# Altium PCB uTCA_MCH_PCB3.pcbdoc (part 18 of 25) (continued)
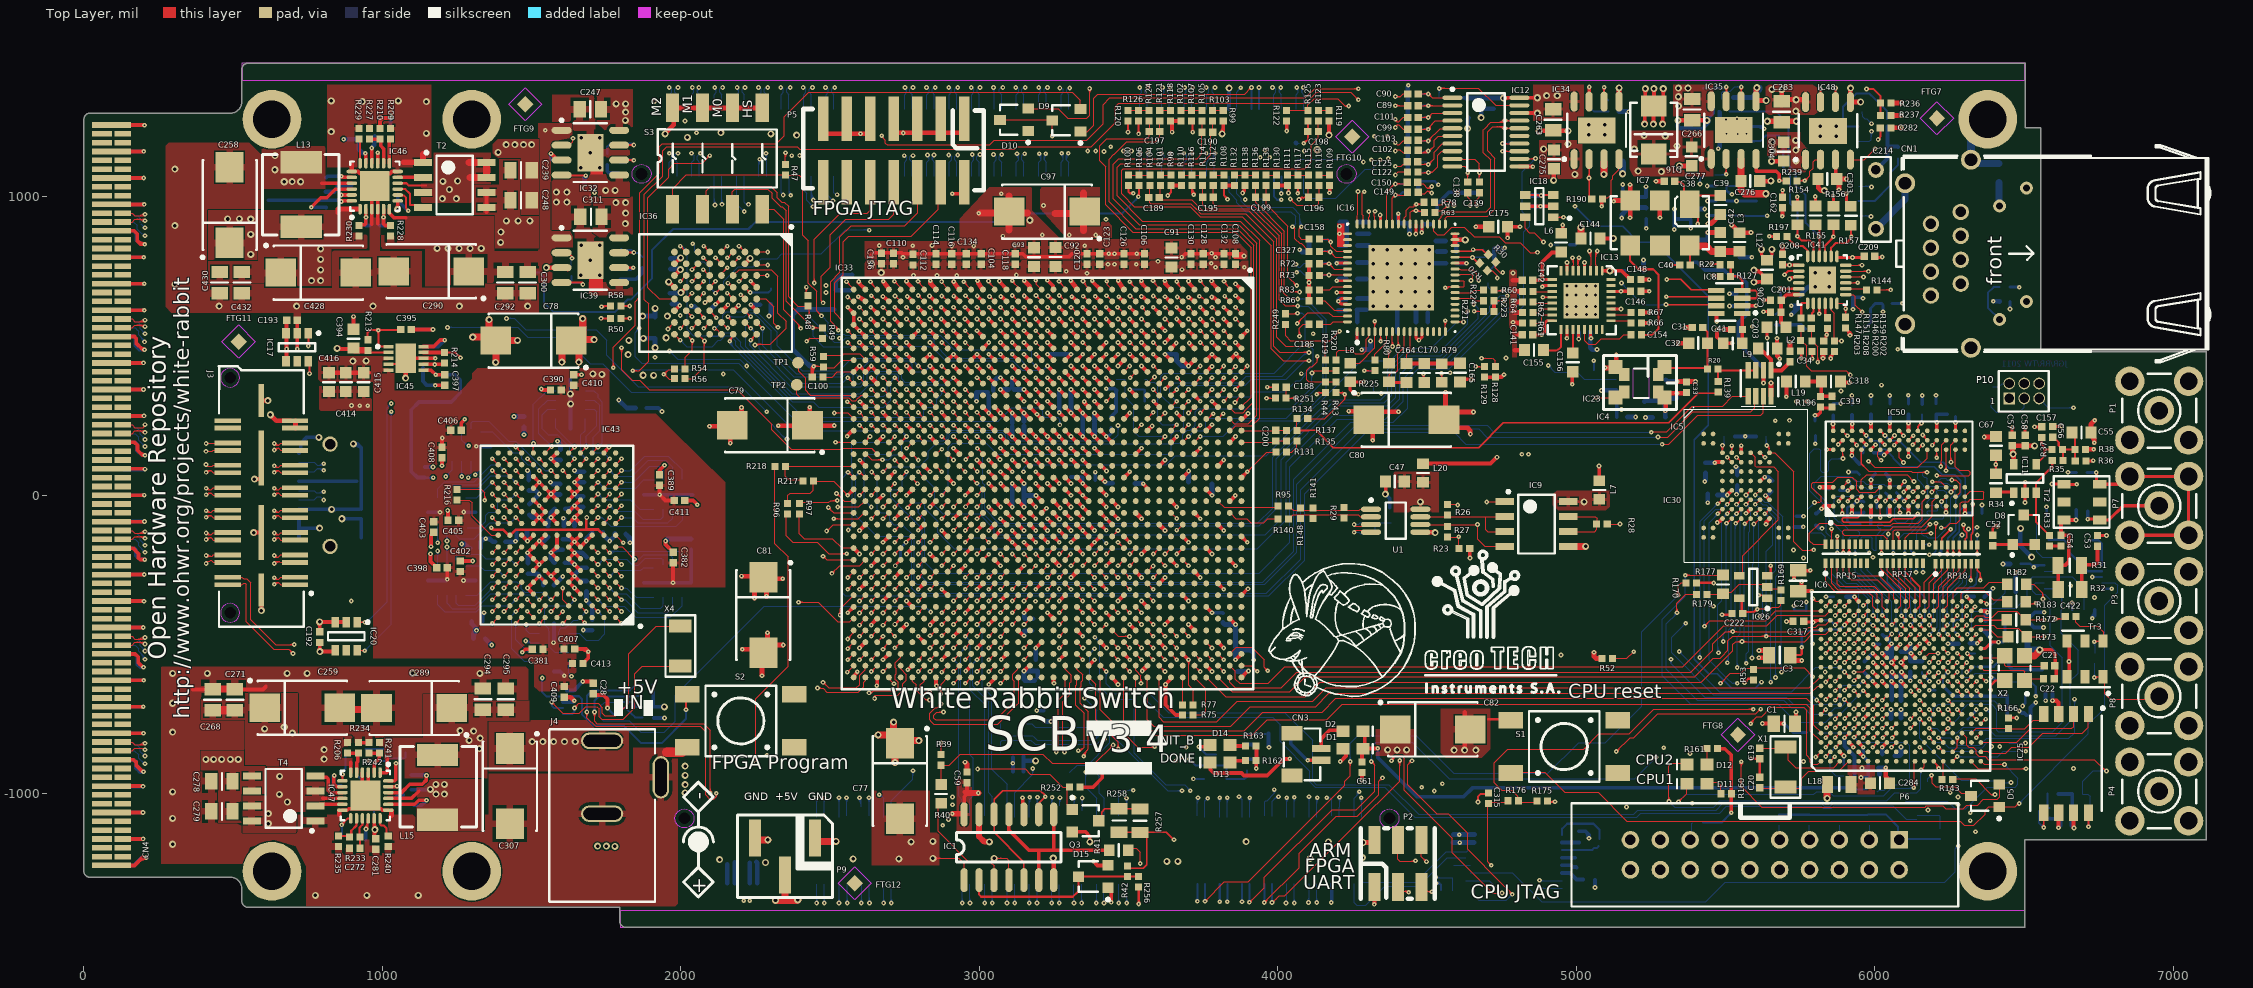
[diagram p0: Top Layer view]
## Nets (pads, with @x,y where several pads share a name; then routed paths per layer and width w, separated by ;. In a path a pad name is that pad's centre, name@x,y a point inside that pad or via, vN(x,y) a via of type N, cw(c..) or ccw(c..) an arc to the next point about the centre after c; other vN are vias at no path point) (continued)
  Bottom Layer w3.94: RP14.3@1216.53,-7.87 1216.53,23.62 1228.35,35.43 1318.9,35.43 v1@1366.14,82.68 ; 1354.67,71.2 cw(c1368.11,57.76) v1@1368.11,76.77 ; 1359.42,75.96 ccw(c1352.7,82.68) v1@1362.2,82.68 ; 1361.39,77.93 cw(c1368.11,71.21) v1@1368.11,80.71
Q2_D2: IC33.AL11 IC43.M11 RP14.5 | length 2127.3
  Top Layer w3.94: v1@1368.11,37.4 cw(c1368.11,23.14) 1378.19,33.23 cw(c1388.27,43.31) v1@1374.02,43.31 ; v1(1368.11,43.31) IC43.M11@1387.8,23.62 ; v1@2677.17,309.06 cw(c2677.17,294.8) 2687.25,304.88 cw(c2697.33,314.96) v1@2683.07,314.96 ; v1(2677.17,314.96) IC33.AL11@2696.85,295.28
  MidLayer1 w3.94: v1@1368.11,37.4 cw(c1368.11,23.14) 1378.19,33.23 cw(c1388.27,43.31) v1@1374.02,43.31 ; v1(1368.11,43.31) 1390.57,20.85 1414.48,20.85 1424.39,10.94 1424.39,-1.16 1438.98,-15.75 1560.8,-15.75 1565.87,-20.82 1565.87,-34.3 1570.94,-39.37 1581.09,-39.37 1586.16,-34.3 1586.16,2.8 1591.23,7.87 1601.38,7.87 1606.45,2.8 1606.45,-34.3 1611.53,-39.37 1621.67,-39.37 1626.74,-34.3 1626.74,-20.82 1631.82,-15.75 1832.68,-15.75 1850.61,2.19 1850.61,9.36 1846.58,13.39 1846.58,20.56 1853.76,27.74 1860.93,27.74 1864.96,23.71 1872.13,23.71 1879.31,30.88 1879.31,38.06 1875.28,42.09 1875.28,49.26 1882.45,56.43 1889.63,56.43 1893.66,52.41 1900.83,52.41 1908,59.58 1908,66.75 1903.98,70.78 1903.98,77.2 1911.42,84.65 1916.34,84.65 1926.18,74.8 1930.12,74.8 1939.96,84.65 1939.96,87.22 1931.1,96.08 1931.1,104.71 1941.55,115.16 1948.21,115.16 1952.15,111.22 1955.71,111.22 1963.58,119.09 1963.58,125 1959.65,128.94 1959.65,133.86 1968.31,142.52 1975.72,142.52 1979.75,138.49 1986.92,138.49 1994.09,145.67 1994.09,152.84 1990.06,156.87 1990.06,164.05 1997.24,171.22 2004.41,171.22 2008.44,167.19 2015.62,167.19 2022.79,174.36 2022.79,181.54 2018.76,185.57 2018.76,192.74 2025.93,199.92 2033.11,199.92 2037.14,195.89 2044.31,195.89 2051.49,203.06 2051.49,210.23 2047.46,214.26 2047.46,221.44 2054.63,228.61 2061.8,228.61 2065.83,224.58 2073.01,224.58 2080.18,231.76 2080.18,238.93 2076.15,242.96 2076.15,250.13 2083.33,257.31 2090.5,257.31 2094.53,253.28 2101.7,253.28 2108.88,260.45 2108.88,267.63 2104.85,271.66 2104.85,278.83 2112.02,286 2119.2,286 2123.23,281.98 2130.4,281.98 2137.57,289.15 2137.57,296.32 2133.55,300.35 2133.55,307.53 2140.72,314.7 2147.89,314.7 2152.55,310.04 2158.46,310.04 2194.88,346.46 2543.02,346.46 2554.83,334.65 2657.48,334.65 v1(2677.17,314.96) ; v1@2671.26,314.96 ccw(c2657,314.96) 2667.08,325.04 ccw(c2677.17,335.12) v1@2677.17,320.87
  Bottom Layer w3.94: RP14.5@1279.53,-7.87 1316.93,-7.87 v1(1368.11,43.31) ; 1358.03,33.22 ccw(c1347.95,43.31) v1@1362.2,43.31 ; 1358.03,33.23 cw(c1368.11,23.15) v1@1368.11,37.4
Q2_D3: IC33.AP11 IC43.K10 RP14.9 | length 2399.3
  Top Layer w3.94: v1@1407.48,-41.34 cw(c1407.48,-55.6) 1417.56,-45.51 cw(c1427.64,-35.43) v1@1413.39,-35.43 ; v1(1407.48,-35.43) IC43.K10@1427.17,-55.12 ; v1@2557.08,307.09 cw(c2557.08,283.31) IC33.AP11@2573.89,300.12 ; v1@2557.08,311.02 cw(c2557.08,296.75) 2567.17,306.84 ; v1@2559.06,314.96 IC33.AP11@2578.74,295.28 ; v1@2562.99,312.99 ccw(c2567.73,312.99) 2564.37,309.64
  MidLayer1 w3.94: v1@1407.48,-41.34 cw(c1407.48,-55.6) 1417.56,-45.51 cw(c1427.64,-35.43) v1@1413.39,-35.43 ; v1(1407.48,-35.43) 1427.16,-55.12 1536.04,-55.12 1539.97,-59.06 1552.39,-59.06 1560.26,-51.18 1572.68,-51.18 1580.56,-59.06 1592.97,-59.06 1600.85,-51.18 1613.26,-51.18 1621.14,-59.06 1633.56,-59.06 1637.49,-55.12 1828.74,-55.12 1844.42,-39.44 1844.42,-33.7 1841.81,-31.09 1841.81,-25.35 1850.42,-16.74 1856.16,-16.74 1867.12,-27.7 1872.86,-27.7 1881.47,-19.09 1881.47,-13.35 1870.5,-2.39 1870.5,3.35 1879.11,11.96 1884.85,11.96 1890.33,6.48 1895.82,0.99 1901.56,0.99 1910.16,9.6 1910.16,15.34 1904.68,20.82 1899.2,26.31 1899.2,32.05 1907.81,40.65 1913.55,40.65 1924.51,29.69 1930.25,29.69 1938.86,38.3 1938.86,44.04 1927.9,55 1927.9,60.74 1936.51,69.35 1942.24,69.35 1953.21,58.39 1958.95,58.39 1967.56,67 1967.56,72.73 1956.59,83.7 ; 1956.69,83.66 1953.74,86.61 1953.74,91.16 1963.96,101.38 1967.61,101.38 1976.42,92.56 1981.91,87.08 1987.64,87.08 1996.25,95.69 1996.25,101.43 1990.77,106.91 1985.29,112.39 1985.29,118.06 ; 1985.29,118.13 1993.9,126.74 1999.64,126.74 2010.6,115.78 2016.34,115.78 2024.95,124.39 2024.95,130.13 2013.99,141.09 2013.99,146.83 2022.59,155.44 2028.33,155.44 2039.3,144.48 2045.04,144.48 2053.65,153.08 2053.65,158.82 2042.68,169.79 2042.68,175.53 2051.29,184.14 2057.03,184.14 2067.99,173.17 2073.73,173.17 2082.34,181.78 2082.34,187.52 2076.86,193 2071.38,198.48 2071.38,204.22 2079.99,212.83 2085.73,212.83 2096.69,201.87 2102.43,201.87 2117.76,217.19 2117.76,222.8 2110.91,229.65 2110.91,240.71 2114.02,243.82 2117.76,243.82 2127.48,234.09 2134.66,234.09 2139.73,239.17 2139.73,244.91 2128.77,255.88 2128.77,261.62 2137.38,270.22 2143.12,270.22 2154.08,259.26 2159.82,259.26 2168.43,267.87 2168.43,273.61 2162.95,279.09 2157.47,284.57 2157.47,290.31 2166.08,298.92 2171.81,298.92 2177.3,293.44 2182.78,287.96 2188.52,287.96 2190.24,289.67 2190.24,306.57 2194.33,310.66 2194.51,310.66 2198.82,314.96 2216.54,332.68 2243.78,332.68 2247.72,328.74 2260.14,328.74 2268.01,336.61 2280.43,336.61 2288.3,328.74 2300.72,328.74 2308.59,336.61 2321.01,336.61 2328.89,328.74 2341.3,328.74 2349.18,336.61 2361.59,336.61 2369.47,328.74 2381.89,328.74 2389.76,336.61 2402.18,336.61 2410.05,328.74 2422.47,328.74 2430.34,336.61 2442.76,336.61 2450.63,328.74 2463.05,328.74 2470.93,336.61 2483.34,336.61 2491.22,328.74 2503.63,328.74 2507.57,332.68 2527.56,332.68 2547.24,312.99 ; 2530.21,330.03 ccw(c2557.08,356.9) v1@2557.08,318.9 ; 2536.93,323.31 ccw(c2557.08,343.46) v1@2557.08,314.96 ; 2543.65,316.59 ccw(c2557.08,330.02) v1@2557.08,311.02 ; v1@2551.87,310.22 ccw(c2547.24,307.75) 2547.24,312.99 ; v1@2551.87,315.77 cw(c2547.24,318.23) 2547.24,312.99 ; v1@2556.69,312.99 2547.24,312.99
  MidLayer3 w3.94: v1(1216.54,-153.54) 1314.96,-55.12 1387.79,-55.12 v1(1407.48,-35.43) ; v1@1216.54,-147.64 ccw(c1216.54,-133.38) 1226.62,-143.46 ccw(c1236.7,-153.54) v1@1222.44,-153.54 ; v1@1401.57,-35.43 cw(c1387.32,-35.43) 1397.4,-45.51 cw(c1407.48,-55.6) v1@1407.48,-41.34
  Bottom Layer w3.94: v1@1212.36,-149.37 ccw(c1202.28,-139.29) 1216.53,-139.29 ccw(c1230.8,-139.28) v1@1220.71,-149.37 ; v1(1216.54,-153.54) RP14.9@1216.53,-106.3
  other v1: 2557.08,312.99
Q2_D4: IC33.AP12 IC43.J11 RP14.10 | length 2324.8
  Top Layer w3.94: v1@1368.11,-80.71 cw(c1368.11,-94.97) 1378.19,-84.88 cw(c1388.27,-74.8) v1@1374.02,-74.8 ; v1(1368.11,-74.8) IC43.J11@1387.8,-94.49 ; v1(2513.78,275.59) 2559.06,275.59 IC33.AP12@2578.74,255.91 ; v1@2517.96,271.41 cw(c2528.04,261.33) 2528.04,275.59 cw(c2528.04,289.85) v1@2517.96,279.77
  MidLayer1 w3.94: v1(1185.04,-159.45) 1269.69,-74.8 v1(1368.11,-74.8) 1368.11,-90.55 1383.86,-106.3 1921.26,-106.3 1935.39,-92.17 1941.13,-92.17 1943.74,-94.78 1949.48,-94.78 1958.09,-86.18 1958.09,-80.44 1947.12,-69.47 1947.12,-63.73 1955.73,-55.12 1961.47,-55.12 1972.44,-66.09 1978.17,-66.09 1986.78,-57.48 1986.78,-51.74 1975.82,-40.78 1975.82,-35.04 1984.43,-26.43 1990.17,-26.43 1995.65,-31.91 2001.13,-37.39 2006.87,-37.39 2015.48,-28.78 2015.48,-23.04 2010,-17.56 2004.52,-12.08 2004.52,-6.34 2013.12,2.27 2018.86,2.27 2029.83,-8.7 2035.57,-8.7 2044.18,-0.09 2044.18,5.65 2033.21,16.62 2033.21,22.36 2041.82,30.96 2047.56,30.96 2058.52,20 2064.26,20 2072.87,28.61 2072.87,34.35 2061.91,45.31 2061.91,51.05 2070.52,59.66 2076.26,59.66 2081.74,54.18 2087.22,48.7 2092.96,48.7 2101.57,57.31 2101.57,63.05 2096.09,68.53 2090.6,74.01 2090.6,79.75 2099.21,88.36 2104.95,88.36 2115.92,77.39 2121.66,77.39 2130.26,86 2130.26,91.74 2119.3,102.71 2119.3,108.44 2127.91,117.05 2133.65,117.05 2144.61,106.09 2150.35,106.09 2158.96,114.7 2158.96,120.44 2148,131.4 2148,137.14 2156.61,145.75 2162.34,145.75 2173.31,134.79 2179.05,134.79 2187.66,143.39 2187.66,149.13 2182.18,154.62 2176.69,160.1 2176.69,165.84 2185.3,174.45 2191.04,174.45 2202.01,163.48 2207.74,163.48 2216.35,172.09 2216.35,177.83 2205.39,188.79 2205.39,194.53 2214,203.14 2219.74,203.14 2230.7,192.18 2236.44,192.18 2245.05,200.79 2245.05,206.53 2234.09,217.49 2234.09,223.23 2242.69,231.84 2248.43,231.84 2259.4,220.87 2265.14,220.87 2273.75,229.48 2273.75,235.22 2268.26,240.7 2262.78,246.19 2262.78,251.93 2271.39,260.53 2277.13,260.53 2282.61,255.05 2288.09,249.57 2293.83,249.57 2302.44,258.18 2302.44,263.92 2299.83,266.53 2299.83,272.27 2307.09,279.53 2356.79,279.53 2361.63,274.68 v1@2512.87,274.68 ; v1@1185.04,-153.54 ccw(c1185.04,-139.29) 1195.12,-149.37 ccw(c1205.2,-159.45) v1@1190.94,-159.45 ; v1@1363.93,-70.63 cw(c1353.85,-60.54) 1353.85,-74.8 cw(c1353.85,-89.06) 1363.93,-78.98 cw(c1353.85,-89.06) 1368.11,-89.06 cw(c1382.37,-89.06) v1@1372.29,-78.98 ; 2497.34,274.68 ccw(c2497.34,292.03) v1@2509.6,279.77 ; 2501.71,274.68 cw(c2501.71,263.52) v1@2509.6,271.41
  Bottom Layer w3.94: v1@1180.86,-155.27 ccw(c1170.79,-145.19) 1185.04,-145.19 ccw(c1199.3,-145.19) v1@1189.22,-155.27 ; v1(1185.04,-159.45) RP14.10@1185.04,-106.3
Q2_D5: IC33.AM12 IC43.G11 RP12.2 | length 2291.3
  Top Layer w3.94: v1(1368.11,-192.91) IC43.G11@1387.8,-173.23 ; v1@1368.11,-187.01 ccw(c1368.11,-172.75) 1378.19,-182.83 ccw(c1388.27,-192.91) v1@1374.02,-192.91 ; v1@2637.79,271.65 cw(c2637.79,262.15) 2644.52,268.87 ; v1@2637.79,275.59 IC33.AM12@2657.48,255.91 ; v1@2639.76,277.56 ccw(c2649.26,277.56) 2642.55,270.84 ; v1@2643.7,277.56 ccw(c2662.71,277.56) 2649.27,264.12
  MidLayer1 w3.94: 1322.83,-127.95 1322.83,-147.64 v1(1368.11,-192.91) ; 1323.15,-127.76 1329.02,-121.89 1336.34,-121.89 ; 1336.38,-121.85 1367.13,-121.85 1379.13,-133.86 1391.31,-133.86 1395.37,-129.8 1395.37,-126.11 1399.42,-122.05 1942.91,-122.05 2291.34,226.38 2297.36,226.38 2318.9,247.91 2318.9,259.84 2325.43,266.38 2330.71,266.38 ; v1@1362.2,-192.91 ccw(c1347.95,-192.91) 1358.03,-182.83 ccw(c1368.11,-172.75) v1@1368.11,-187.01 ; 2329.16,266.38 2341.33,266.38 2345.39,262.32 2345.39,238.31 2349.45,234.25 2361.62,234.25 2365.68,238.31 2365.68,262.32 2369.74,266.38 2381.91,266.38 2385.97,262.32 2385.97,238.31 2390.03,234.25 2402.21,234.25 2406.26,238.31 2406.26,262.32 2410.32,266.38 2422.5,266.38 2426.56,262.32 2426.56,238.31 2430.61,234.25 2442.79,234.25 2446.85,238.31 2446.85,262.32 2450.91,266.38 2463.08,266.38 2467.14,262.32 2467.14,238.31 2471.2,234.25 2483.37,234.25 2487.43,238.31 2487.43,249.88 2491.49,253.94 2523.95,253.94 2528.01,258 2528.01,262.32 2532.07,266.38 2544.24,266.38 2548.3,262.32 2548.3,258 2552.36,253.94 2616.14,253.94 v1@2637.79,275.59 ; 2626.32,264.12 ccw(c2612.88,277.56) v1@2631.89,277.56 ; 2631.07,268.87 cw(c2637.79,262.15) v1@2637.79,271.65 ; 2633.04,270.84 ccw(c2626.32,277.56) v1@2635.83,277.56
  MidLayer4 w3.94: v1(1185.04,-187.01) 1194.88,-196.85 ; v1@1185.14,-192.91 cw(c1185.37,-206.36) 1194.88,-196.85 ; v1@1190.94,-187.11 ccw(c1204.39,-187.34) 1194.88,-196.85 ; 1344.35,-196.85 ccw(c1344.35,-169.16) v1@1363.93,-188.74 ; 1353.86,-196.85 ccw(c1353.86,-178.66) v1@1366.72,-191.52 ; v1(1368.11,-192.91) 1364.17,-196.85 1194.88,-196.85
  Bottom Layer w3.94: v1@1180.86,-191.18 cw(c1170.79,-201.26) 1185.04,-201.26 cw(c1199.3,-201.27) v1@1189.22,-191.18 ; RP12.2@1185.04,-236.22 v1(1185.04,-187.01)
  other v1: 2637.79,277.56
Q2_D6: IC33.AN14 IC43.E10 RP12.5 | length 2222.1
  Top Layer w3.94: v1(1407.48,-271.65) IC43.E10@1427.17,-251.97 ; v1@1407.48,-265.75 ccw(c1407.48,-251.49) 1417.56,-261.57 ccw(c1427.64,-271.65) v1@1413.39,-271.65 ; IC33.AN14@2617.17,178.43 v1@2633.54,194.8 ; IC33.AN14@2622.07,183.33 ccw(c2608.63,196.77) v1@2627.64,196.77 ; 2626.82,188.08 cw(c2633.54,181.36) v1@2633.54,190.87 ; 2628.79,190.05 ccw(c2622.07,196.77) v1@2631.57,196.77
  MidLayer1 w3.94: v1(1407.48,-271.65) 1427.17,-251.97 1465.26,-251.97 1468.5,-255.22 1468.5,-260.53 1471.75,-263.78 1486.91,-263.78 1490.16,-260.53 1490.16,-243.41 1493.41,-240.16 1508.56,-240.16 1511.81,-243.41 1511.81,-248.72 1515.06,-251.97 1578.74,-251.97 1618.11,-212.6 1647.34,-212.6 1650.59,-209.35 1650.59,-204.12 1653.84,-200.87 1669,-200.87 1672.24,-204.12 1672.24,-225.1 1675.49,-228.35 1690.65,-228.35 1693.9,-225.1 1693.9,-204.12 1697.15,-200.87 1712.3,-200.87 1715.55,-204.12 1715.55,-209.35 1718.8,-212.6 1791.34,-212.6 1822.83,-181.1 1843.96,-181.1 1851.83,-173.23 1861.98,-173.23 1869.85,-181.1 1884.54,-181.1 1892.42,-173.23 1902.56,-173.23 1910.43,-181.1 1925.12,-181.1 1933,-173.23 1943.14,-173.23 1951.02,-181.1 1965.71,-181.1 1973.58,-173.23 1983.73,-173.23 1991.6,-181.1 2011.81,-181.1 2017,-175.91 2017,-164.77 2024.18,-157.6 2031.35,-157.6 2033.33,-159.58 2035.31,-161.56 2042.49,-161.56 2049.66,-154.39 2049.66,-147.21 2047.68,-145.23 2045.7,-143.25 2045.7,-136.08 2052.87,-128.9 2060.05,-128.9 2062.03,-130.88 2064.01,-132.86 2071.18,-132.86 2078.36,-125.69 2078.36,-118.52 2076.38,-116.54 2074.4,-114.56 2074.4,-107.38 2081.57,-100.21 2088.74,-100.21 2092.71,-104.17 2099.88,-104.17 2107.05,-96.99 2107.05,-89.82 2105.07,-87.84 2103.09,-85.86 2103.09,-78.68 2110.27,-71.51 2117.44,-71.51 2119.42,-73.49 2121.4,-75.47 2128.58,-75.47 2135.75,-68.3 2135.75,-61.12 2133.77,-59.14 2131.79,-57.16 2131.79,-49.99 2138.96,-42.81 2146.14,-42.81 2148.12,-44.8 2150.1,-46.78 2157.27,-46.78 2164.45,-39.6 2164.45,-32.43 2162.47,-30.45 2160.49,-28.47 2160.49,-21.29 2167.66,-14.12 2174.83,-14.12 2176.81,-16.1 2178.8,-18.08 2185.97,-18.08 2193.14,-10.91 2193.14,-3.73 2191.16,-1.75 2189.18,0.23 2189.18,7.4 2196.36,14.58 2203.53,14.58 2205.51,12.6 2207.49,10.62 2214.67,10.62 2221.84,17.79 2221.84,24.96 2219.86,26.95 2217.88,28.93 2217.88,36.1 2225.05,43.27 2232.23,43.27 2234.21,41.29 2236.19,39.31 2243.36,39.31 2250.54,46.49 2250.54,53.66 2248.55,55.64 2246.57,57.62 2246.57,64.8 2253.75,71.97 2260.92,71.97 2262.9,69.99 2264.88,68.01 2272.06,68.01 2280.82,76.77 2295.28,76.77 2303.89,85.39 2303.89,92.56 2294.36,102.09 2294.36,109.27 2301.54,116.44 2308.71,116.44 2334.95,90.21 2342.12,90.21 2349.29,97.38 2349.29,104.56 2323.06,130.79 2323.06,137.96 2330.23,145.14 2337.41,145.14 2363.64,118.9 2370.82,118.9 2377.99,126.08 2377.99,133.25 2368.46,142.78 2368.46,149.96 2372.05,153.54 2403.54,153.54 2415.35,141.73 2435.04,141.73 2438.26,144.96 2438.26,162 2444.57,168.31 2466.84,168.31 2470.92,172.38 2470.92,183.52 2484.25,196.85 2521.56,196.85 2535.61,182.8 2603.15,182.8 2617.2,196.85 v1@2633.46,196.85 ; v1@1407.48,-265.75 ccw(c1407.48,-251.49) 1417.56,-261.57 ccw(c1427.64,-271.65) v1@1413.39,-271.65 ; 2619.1,196.85 cw(c2619.1,182.32) v1@2629.37,192.6 ; 2619.48,196.85 ccw(c2619.48,210.84) v1@2629.37,200.95
  Bottom Layer w3.94: RP12.5@1279.53,-236.22 1324.8,-236.22 1340.55,-251.97 1387.79,-251.97 v1(1407.48,-271.65) ; v1@1401.57,-271.65 ccw(c1387.32,-271.65) 1397.4,-261.57 ccw(c1407.48,-251.49) v1@1407.48,-265.75
  other v1: 2633.54,196.77
Q2_D7: IC33.AP14 IC43.D11 RP12.8 | length 2188.8
  Top Layer w3.94: v1(1368.11,-311.02) IC43.D11@1387.8,-291.34 ; v1@1368.11,-305.12 ccw(c1368.11,-290.86) 1378.19,-300.94 ccw(c1388.27,-311.02) v1@1374.02,-311.02 ; v1(2517.72,177.17) IC33.AP14@2578.74,177.17 ; v1@2521.89,172.99 cw(c2531.98,162.91) 2531.98,177.17 ; v1@2521.89,181.34 ccw(c2531.97,191.42) 2531.97,177.17
  MidLayer1 w3.94: v1(1368.11,-311.02) 1387.8,-291.34 1568.9,-291.34 1580.71,-279.53 1580.71,-265.75 1594.49,-251.97 1814.96,-251.97 1822.83,-244.09 1822.83,-204.72 1830.71,-196.85 1880,-196.85 1887.87,-204.72 1898.02,-204.72 1905.89,-196.85 1920.58,-196.85 1928.45,-204.72 1938.6,-204.72 1946.47,-196.85 1961.16,-196.85 1969.04,-204.72 1979.18,-204.72 1987.06,-196.85 2001.75,-196.85 2009.62,-204.72 2019.77,-204.72 2027.64,-196.85 2047.24,-196.85 2052.8,-191.29 2052.8,-180.18 2048.84,-176.22 2048.84,-169.05 2056.01,-161.87 2063.19,-161.87 2078.28,-176.97 2085.46,-176.97 2092.63,-169.8 2092.63,-162.62 2085.08,-155.07 2077.53,-147.53 2077.53,-140.35 2084.71,-133.18 2091.88,-133.18 2106.98,-148.28 2114.15,-148.28 2121.33,-141.1 2121.33,-133.93 2106.23,-118.83 2106.23,-111.66 2113.4,-104.48 2120.58,-104.48 2135.68,-119.58 2142.85,-119.58 2150.02,-112.4 2150.02,-105.23 2134.93,-90.13 2134.93,-82.96 2142.1,-75.79 2149.27,-75.79 2164.37,-90.88 2171.55,-90.88 2178.72,-83.71 2178.72,-76.53 2171.17,-68.99 2163.62,-61.44 2163.62,-54.26 2170.8,-47.09 2177.97,-47.09 2193.07,-62.19 2200.24,-62.19 2207.42,-55.01 2207.42,-47.84 2192.32,-32.74 2192.32,-25.57 2199.49,-18.39 2206.67,-18.39 2221.76,-33.49 2228.94,-33.49 2236.11,-26.32 2236.11,-19.14 2221.02,-4.05 2221.02,3.13 2228.19,10.3 2235.36,10.3 2250.46,-4.79 2257.63,-4.79 2264.81,2.38 2264.81,9.55 2257.26,17.1 2249.71,24.65 2249.71,31.83 2256.89,39 2264.06,39 2279.16,23.9 2286.33,23.9 2293.51,31.08 2293.51,38.25 2289.54,42.21 2289.54,49.39 2301.18,61.02 2328.74,61.02 2395.67,127.95 2446.85,127.95 2496.06,177.17 v1(2517.72,177.17) ; v1@1368.11,-305.12 ccw(c1368.11,-290.86) 1378.19,-300.94 ccw(c1388.27,-311.02) v1@1374.02,-311.02 ; v1@2513.54,172.99 ccw(c2503.46,162.91) 2503.46,177.17 ccw(c2503.46,191.42) v1@2513.54,181.34
  Bottom Layer w3.94: RP12.8@1248.03,-334.64 1248.03,-335.44 1248.03,-362.2 1253.94,-368.11 1311.02,-368.11 v1(1368.11,-311.02) ; v1@1362.2,-311.02 cw(c1347.95,-311.02) 1358.03,-321.11 cw(c1368.11,-331.19) v1@1368.11,-316.93
Q2_D8: IC33.AG11 IC43.C11 RP6.5 | length 2294.8
  Top Layer w3.94: v1(1368.11,-350.39) IC43.C11@1387.8,-330.71 ; v1@1368.11,-344.49 ccw(c1368.11,-330.23) 1378.19,-340.31 ccw(c1388.27,-350.39) v1@1374.02,-350.39 ; v1@2834.65,309.06 cw(c2834.65,294.8) 2844.73,304.88 cw(c2854.81,314.96) v1@2840.55,314.96 ; v1(2834.65,314.96) IC33.AG11@2854.33,295.28
  MidLayer4 w3.94: v1(1368.11,-350.39) 1387.8,-330.71 1387.8,-285.43 1387.8,-267.43 1400.48,-254.75 1408.93,-254.75 1424.39,-239.29 1424.39,-191.46 1439.85,-176.01 1448.3,-176.01 1463.76,-160.55 1463.76,-152.09 1479.22,-136.64 1495.25,-136.64 1545.28,-86.61 1545.28,-66.93 1596.46,-15.75 1726.67,-15.75 1742.13,-0.29 1742.13,8.17 1757.58,23.62 1766.04,23.62 1781.5,39.08 1781.5,51.18 1793.31,62.99 1838.58,62.99 1889.17,113.58 1908.87,133.28 2110.24,334.65 2814.96,334.65 v1(2834.65,314.96) ; v1@1368.11,-344.49 ccw(c1368.11,-330.23) 1378.19,-340.31 ccw(c1388.27,-350.39) v1@1374.02,-350.39 ; v1@2828.74,314.96 ccw(c2814.48,314.96) 2824.56,325.04 ccw(c2834.65,335.12) v1@2834.65,320.87
  MidLayer2 w3.94: v1@1368.11,-356.3 cw(c1368.11,-370.56) 1378.19,-360.48 cw(c1388.27,-350.39) v1@1374.02,-350.39 ; v1(1368.11,-350.39) 1387.8,-370.08 1387.8,-395.67 1401.97,-409.84 1459.84,-409.84 v1@1482.28,-432.28 ; 1471.92,-421.92 cw(c1461.17,-432.68) v1@1476.38,-432.68 ; 1472.87,-422.87 ccw(c1482.28,-413.47) v1@1482.28,-426.77
  Bottom Layer w3.94: v1@1478.11,-436.85 cw(c1468.03,-446.93) 1482.28,-446.93 cw(c1496.54,-446.93) v1@1486.46,-436.85 ; v1(1482.28,-432.68) 1482.28,-452.36 1492.52,-462.6 RP6.5@1525.59,-462.6
Q2_D9: IC33.AM10 IC43.N10 RP14.2 | length 2297.3
  Top Layer w3.94: v1@1407.48,76.77 cw(c1407.48,62.51) 1417.56,72.6 cw(c1427.64,82.68) v1@1413.39,82.68 ; v1(1407.48,82.68) IC43.N10@1427.17,62.99 ; v1@2637.8,348.43 cw(c2637.8,334.17) 2647.88,344.25 cw(c2657.96,354.33) v1@2643.7,354.33 ; v1(2637.8,354.33) IC33.AM10@2657.48,334.65
  MidLayer1 w3.94: v1@1403.3,78.5 cw(c1393.22,68.42) 1407.48,68.42 cw(c1421.74,68.42) v1@1411.66,78.5 ; v1(1407.48,82.68) 1407.48,66.93 1414.19,60.22 ; 1414.48,60.22 1424.39,50.31 1424.39,38.21 1438.98,23.62 1591.69,23.62 1596.76,28.69 ; 1596.76,30.36 1601.83,35.43 1611.98,35.43 1623.79,23.62 1836.61,23.62 2187.01,374.02 2203.89,374.02 2208.96,379.09 2208.96,384.69 2214.04,389.76 2224.18,389.76 2229.26,384.69 2229.26,363.34 2234.33,358.27 2244.47,358.27 2249.55,363.34 2249.55,384.69 2254.62,389.76 2264.77,389.76 2269.84,384.69 2269.84,363.34 2274.91,358.27 2285.06,358.27 2290.13,363.34 2290.13,384.69 2295.2,389.76 2305.35,389.76 2310.42,384.69 2310.42,363.34 2315.49,358.27 2325.64,358.27 2330.71,363.34 2330.71,384.69 2335.79,389.76 2345.93,389.76 2351,384.69 2351,363.34 2356.08,358.27 2366.22,358.27 2371.29,363.34 2371.29,384.69 2376.37,389.76 2386.51,389.76 2391.59,384.69 2391.59,363.34 2396.66,358.27 2406.8,358.27 2411.88,363.34 2411.88,384.69 2416.95,389.76 2427.1,389.76 2432.17,384.69 2432.17,363.34 2437.24,358.27 2447.39,358.27 2452.46,363.34 2452.46,384.69 2457.53,389.76 2467.68,389.76 2472.75,384.69 2472.75,363.34 2477.82,358.27 2487.97,358.27 2493.04,363.34 2493.04,384.69 2498.12,389.76 2508.26,389.76 2513.33,384.69 2513.33,363.34 2518.41,358.27 2528.55,358.27 2533.63,363.34 2533.63,368.94 2538.7,374.02 2618.11,374.02 v1(2637.8,354.33) ; v1@2631.89,354.33 ccw(c2617.63,354.33) 2627.71,364.41 ccw(c2637.8,374.49) v1@2637.8,360.24
  Bottom Layer w3.94: RP14.2@1185.04,-7.87 1185.04,21.65 1208.66,45.28 1307.09,45.28 1364.17,102.36 1387.8,102.36 v1(1407.48,82.68) ; v1@1401.57,82.68 ccw(c1387.32,82.68) 1397.4,92.76 ccw(c1407.48,102.84) v1@1407.48,88.58
Q2_D10: IC33.AD11 IC43.M9 RP14.4 | length 2274.5
  Top Layer w3.94: v1@1446.85,37.4 cw(c1446.85,23.15) 1456.93,33.23 ; v1(1446.85,43.31) IC43.M9@1466.54,23.62 ; v1@1452.76,43.31 ccw(c1467.01,43.31) 1456.93,33.22 ; v1@2952.76,309.06 cw(c2952.76,294.8) 2962.84,304.88 cw(c2972.92,314.96) v1@2958.66,314.96 ; v1(2952.76,314.96) IC33.AD11@2972.44,295.28
  MidLayer4 w3.94: v1(1446.85,43.31) 1468.5,64.96 1496.06,64.96 1508.68,77.58 1508.68,89.68 1518.59,99.59 1530.69,99.59 1548.05,116.95 1548.05,129.05 1560.73,141.73 1582.68,141.73 1612.84,171.89 1612.84,179.07 ; v1@1446.85,49.21 ccw(c1446.85,63.47) 1456.93,53.39 ccw(c1467.01,43.31) v1@1452.76,43.31 ; 1611.66,180.25 1611.66,187.42 1618.84,194.59 1626.01,194.59 1630.77,189.83 1635.54,185.06 1642.71,185.06 1649.89,192.24 1649.89,199.41 ; 1648.71,200.59 1648.71,256.98 1664.19,272.46 1795.57,272.46 1902.13,379.02 1911.34,379.02 1930.12,397.8 1930.12,412.45 1937.13,419.47 1948.69,419.47 ; 1948.87,419.29 1990.16,419.29 2030.71,459.84 2416.14,459.84 ; 2416.54,459.45 2750.98,459.45 ; 2720.43,459.21 2751.04,459.21 2789.98,420.28 2865,420.28 2871.89,413.39 2881.1,413.39 2896.46,398.03 2896.46,386.72 2906.38,376.79 2914.84,376.79 2933.07,358.56 2933.07,334.65 v1(2952.76,314.96) ; 2942.67,325.04 cw(c2932.59,314.96) v1@2946.85,314.96 ; 2942.68,325.04 ccw(c2952.76,335.12) v1@2952.76,320.87
  Bottom Layer w3.94: RP14.4@1248.03,5.91 1248.03,19.68 1253.94,25.59 1322.83,25.59 1362.2,64.96 1425.2,64.96 v1(1446.85,43.31) ; v1@1440.94,43.31 ccw(c1426.69,43.31) 1436.77,53.39 ccw(c1446.85,63.47) v1@1446.85,49.21
Q2_D11: IC33.AE11 IC43.L9 RP14.7 | length 2221.8
  Top Layer w3.94: v1@1446.85,-1.97 cw(c1446.85,-16.22) 1456.93,-6.14 cw(c1467.01,3.94) v1@1452.76,3.94 ; v1(1446.85,3.94) IC43.L9@1466.54,-15.75 ; v1@2913.39,309.06 cw(c2913.39,294.8) 2923.47,304.88 cw(c2933.55,314.96) v1@2919.29,314.96 ; v1(2913.39,314.96) IC33.AE11@2933.07,295.28
  MidLayer4 w3.94: v1(1446.85,3.94) 1464.57,21.65 1488.48,21.65 1507.87,41.05 1507.87,49.51 1524.14,65.77 1570.57,65.77 1584.65,79.84 1584.65,102.36 1624.02,141.73 1726.67,141.73 1742.13,157.19 1742.13,177.17 1758.43,193.47 1758.43,201.61 1758.43,210.18 1767,218.74 1775.57,218.74 1779.64,214.67 1783.7,210.61 1792.27,210.61 1800.84,219.17 1800.84,227.74 1796.77,231.81 1792.7,235.88 1792.7,244.44 1801.26,253.01 1809.83,253.01 1813.9,248.94 1817.97,244.87 1826.53,244.87 1835.1,253.44 1835.1,262 1831.03,266.07 1826.96,270.14 1826.96,278.7 1835.53,287.27 1852.23,287.27 1962.6,397.64 1988.19,397.64 2037.58,447.03 2681.3,447.03 2708.06,420.28 2780.23,420.28 2794.01,406.5 2839.95,406.5 2912.36,334.08 v1@2912.36,316.77 ; v1@1446.85,9.84 ccw(c1446.85,24.1) 1456.93,14.02 ccw(c1467.01,3.94) v1@1452.76,3.94 ; v1@2909.21,319.14 ccw(c2901.6,326.75) 2912.36,326.75 ; 2912.36,331.69 ccw(c2930.11,331.69) v1@2917.56,319.14
  Bottom Layer w3.94: RP14.7@1283.46,-108.27 1324.8,-108.27 1346.46,-86.61 1346.46,-66.93 1356.3,-57.09 1377.95,-57.09 1385.83,-49.21 1385.83,-25.59 1395.67,-15.75 1427.17,-15.75 v1(1446.85,3.94) ; v1@1440.94,3.94 cw(c1426.69,3.94) 1436.77,-6.14 cw(c1446.85,-16.23) v1@1446.85,-1.97
Q2_D12: IC33.AN12 IC43.J9 RP14.8 | length 2266.1
  Top Layer w3.94: v1@1446.85,-80.71 cw(c1446.85,-94.97) 1456.93,-84.88 cw(c1467.01,-74.8) v1@1452.76,-74.8 ; v1(1446.85,-74.8) IC43.J9@1466.54,-94.49 ; v1@2598.43,271.65 cw(c2598.43,262.15) 2605.15,268.87 ; v1@2598.43,275.59 IC33.AN12@2618.11,255.91 ; v1@2600.39,277.56 ccw(c2609.9,277.56) 2603.18,270.84 ; v1@2604.33,277.56 ccw(c2623.34,277.56) 2609.9,264.12
  MidLayer1 w3.94: v1@1446.85,-80.71 cw(c1446.85,-94.97) 1456.93,-84.88 cw(c1467.01,-74.8) v1@1452.76,-74.8 ; v1(1446.85,-74.8) 1466.54,-94.49 ; 1467.52,-94.49 1823.02,-94.49 1827.07,-90.43 1827.07,-88.07 1831.13,-84.01 1843.31,-84.01 1847.37,-88.07 1847.37,-90.43 1851.42,-94.49 1885.83,-94.49 1890.13,-90.18 1890.13,-84.44 1887.52,-81.83 1887.52,-76.09 1896.13,-67.48 1901.87,-67.48 1907.35,-72.97 1912.83,-78.45 1918.57,-78.45 1927.18,-69.84 1927.18,-64.1 1921.7,-58.62 1916.22,-53.14 1916.22,-47.4 1924.82,-38.79 1930.56,-38.79 1941.53,-49.75 1947.27,-49.75 1955.88,-41.14 1955.88,-35.4 1944.91,-24.44 1944.91,-18.7 1953.52,-10.09 1959.26,-10.09 1970.22,-21.06 1975.96,-21.06 1984.57,-12.45 1984.57,-6.71 1973.61,4.26 1973.61,10 1982.22,18.6 1987.96,18.6 1998.92,7.64 2004.66,7.64 2013.27,16.25 2013.27,21.99 2007.79,27.47 2002.3,32.95 2002.3,38.69 2010.91,47.3 2016.65,47.3 2027.62,36.34 2033.36,36.34 2041.96,44.95 2041.96,50.68 2031,61.65 2031,67.39 2039.61,76 2045.35,76 2056.31,65.03 2062.05,65.03 2070.66,73.64 2070.66,79.38 2059.7,90.35 2059.7,96.08 2068.3,104.69 2074.04,104.69 2085.01,93.73 2090.75,93.73 2099.36,102.34 2099.36,108.08 2093.87,113.56 2088.39,119.04 2088.39,124.78 2097,133.39 2102.74,133.39 2108.22,127.91 2113.7,122.43 2119.44,122.43 2128.05,131.03 2128.05,136.77 2117.09,147.74 2117.09,153.48 2125.7,162.09 2131.44,162.09 2142.4,151.12 2148.14,151.12 2154.45,157.43 2154.45,167.77 2145.78,176.43 2145.78,182.17 2156.37,192.76 2164.61,192.76 2171.46,185.91 2182.92,185.91 2185.45,188.43 2185.45,194.17 2179.96,199.65 2174.48,205.13 2174.48,210.87 2183.09,219.48 2188.83,219.48 2194.31,214 2199.79,208.51 2205.53,208.51 2214.14,217.12 2214.14,222.86 2203.18,233.83 2203.18,239.57 2211.79,248.17 2217.53,248.17 2228.49,237.21 2234.23,237.21 2242.84,245.82 2242.84,251.56 2231.87,262.52 2231.87,268.26 2240.48,276.87 2246.22,276.87 2257.19,265.91 2262.92,265.91 2271.53,274.52 2271.53,280.25 2268.92,282.87 2268.92,288.61 2273.62,293.31 2403.97,293.31 2420.42,309.76 2437.53,309.76 2453.63,293.66 2523.07,293.66 ; 2523.43,293.31 2539.72,277.01 v1@2596.42,277.01 ; 2582.84,277.01 ccw(c2582.84,293.15) v1@2594.25,281.73 ; 2585.5,277.01 cw(c2585.5,264.63) v1@2594.25,273.38
  Bottom Layer w3.94: RP14.8@1248.03,-106.3 1248.03,-135.83 1257.87,-145.67 1307.09,-145.67 1360.24,-92.52 1429.13,-92.52 v1@1446.85,-74.8 ; v1@1440.94,-74.8 cw(c1426.68,-74.8) 1436.77,-84.89 cw(c1446.85,-94.96) v1@1446.85,-80.71
  other v1: 2598.43,277.56